# KiCad board zak180.kicad_pcb (continued)
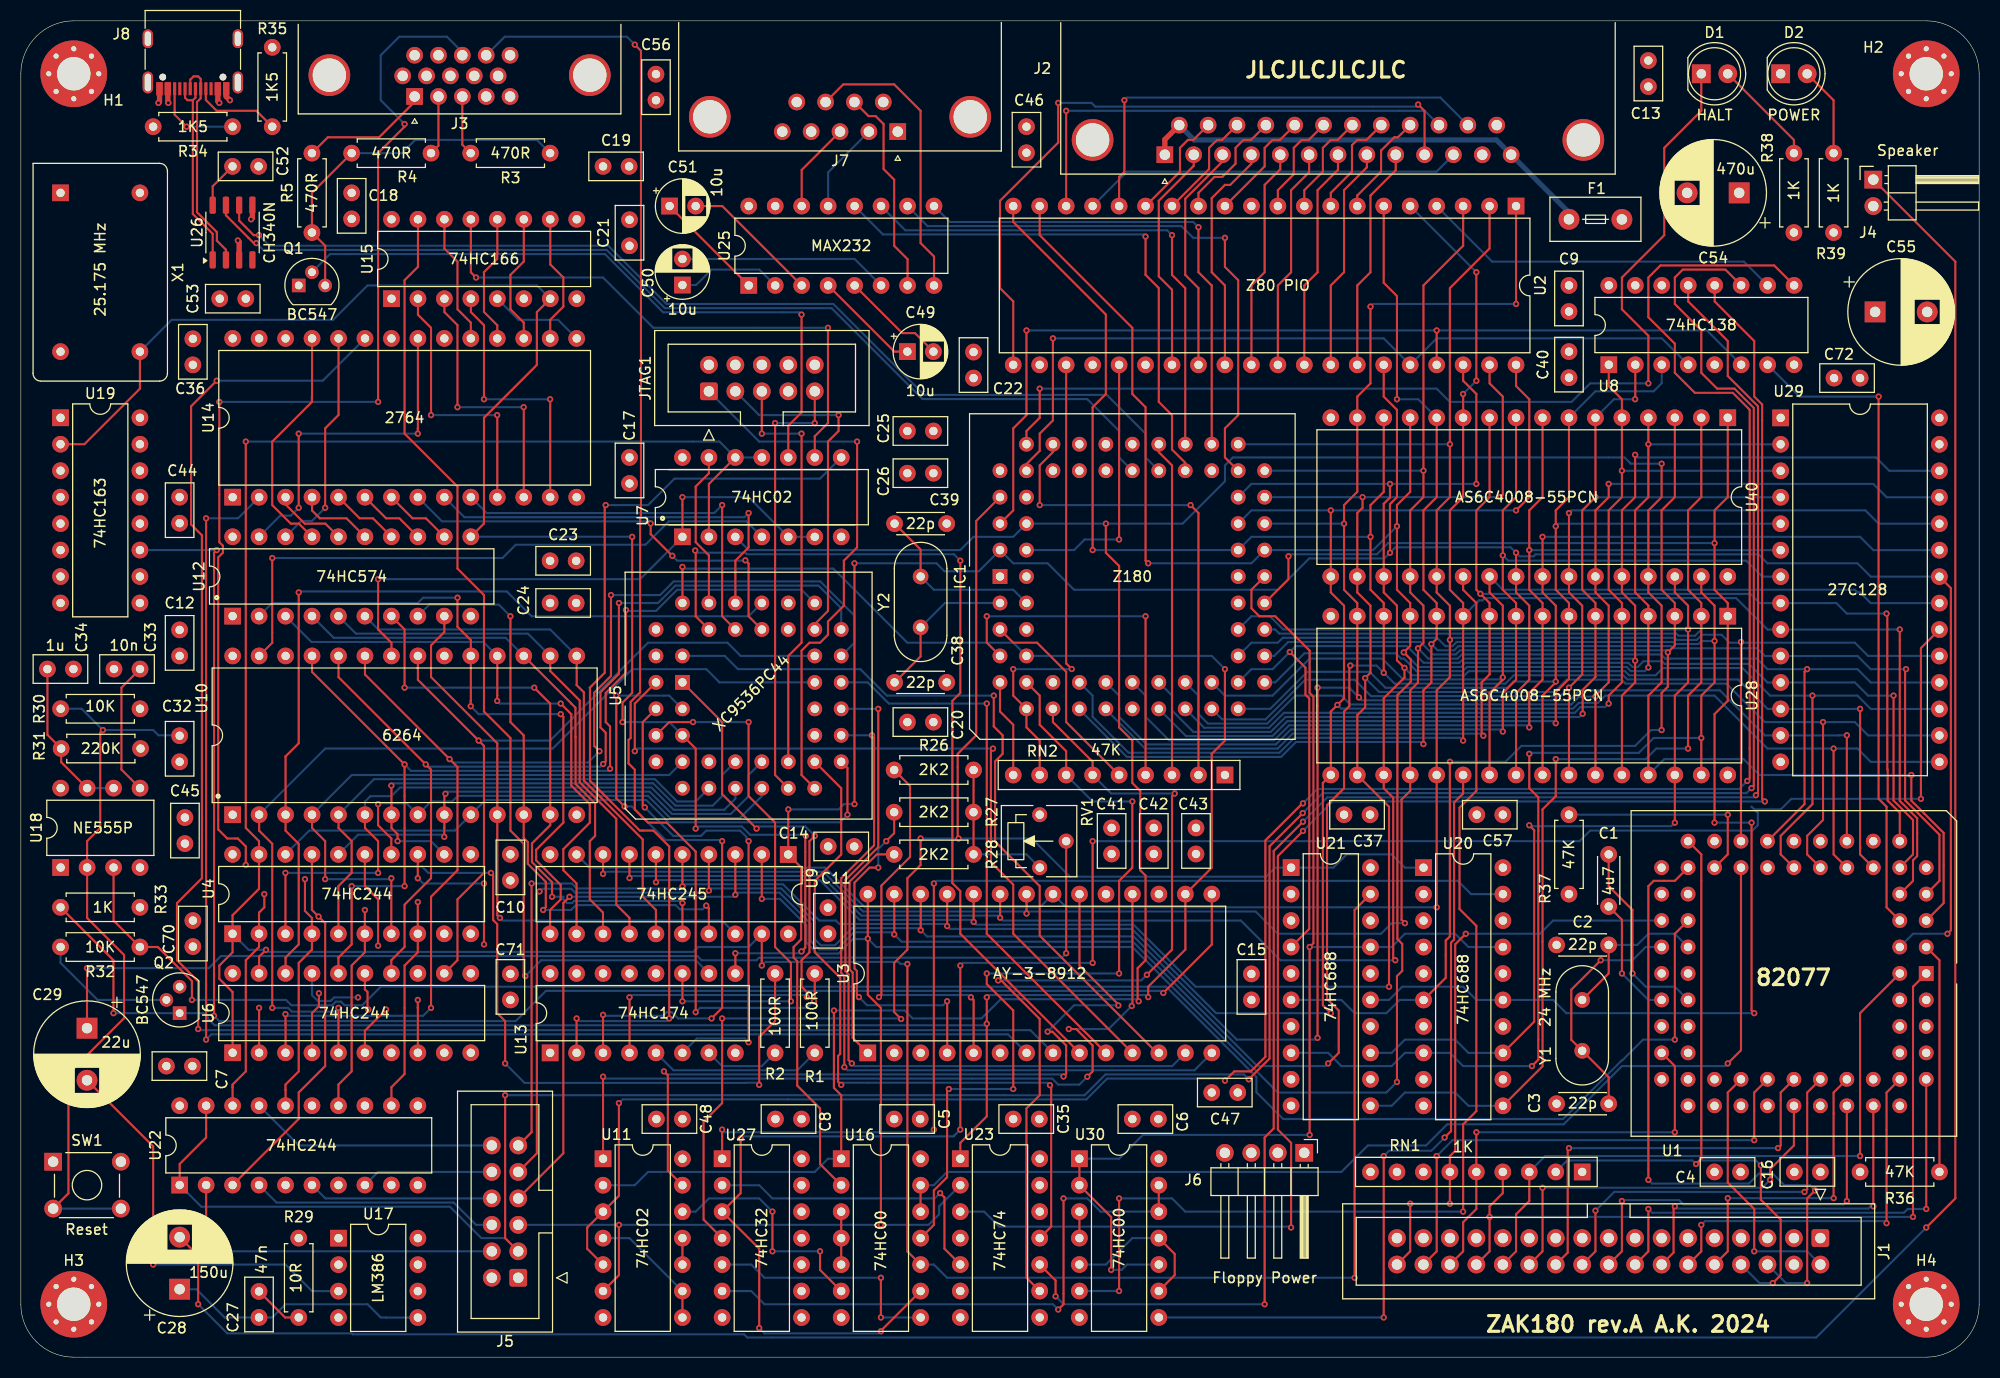
[diagram p0: board, top side]
## Footprints (pads in the part's own frame, mm; a bottom-side part is the same pattern mirrored in y, then rotated) (continued)
Fuse_Littelfuse_395Series
  round 2 hole 1: 1(0,0) 2(5.08,-0.01)
IDC-Header_2x05_P2.54mm_Vertical
  rrect 1.7x1.7 hole 1: 1(0,0)
  round 1.7 hole 1: 2(2.54,0) 3(0,-2.54) 4(2.54,-2.54) 5(0,-5.08) 6(2.54,-5.08) 7(0,-7.62) 8(2.54,-7.62) 9(0,-10.16) 10(2.54,-10.16)
IDC-Header_2x06_P2.54mm_Vertical
  rrect 1.7x1.7 hole 1: 1(0,0)
  round 1.7 hole 1: 2(2.54,0) 3(0,-2.54) 4(2.54,-2.54) 5(0,-5.08) 6(2.54,-5.08) 7(0,-7.62) 8(2.54,-7.62) 9(0,-10.16) 10(2.54,-10.16) 11(0,-12.7) 12(2.54,-12.7)
IDC-Header_2x17_P2.54mm_Vertical
  rrect 1.7x1.7 hole 1: 1(0,0)
  round 1.7 hole 1: 2(2.54,0) 3(0,-2.54) 4(2.54,-2.54) 5(0,-5.08) 6(2.54,-5.08) 7(0,-7.62) 8(2.54,-7.62) 9(0,-10.16) 10(2.54,-10.16) 11(0,-12.7) 12(2.54,-12.7) 13(0,-15.24) 14(2.54,-15.24) 15(0,-17.78) 16(2.54,-17.78) 17(0,-20.32) 18(2.54,-20.32) 19(0,-22.86) 20(2.54,-22.86) 21(0,-25.4) 22(2.54,-25.4) 23(0,-27.94) 24(2.54,-27.94) 25(0,-30.48) 26(2.54,-30.48) 27(0,-33.02) 28(2.54,-33.02) 29(0,-35.56) 30(2.54,-35.56) 31(0,-38.1) 32(2.54,-38.1) 33(0,-40.64) 34(2.54,-40.64)
LED_D5.0mm
  rect 1.8x1.8 hole 0.9: 1(0,0)
  round 1.8 hole 0.9: 2(2.54,0)
MountingHole_3.2mm_M3_Pad_Via
  round 0.8 hole 0.5: 1(-2.4,0) 1(-1.697,1.697) 1(-1.697,-1.697) 1(0,2.4) 1(0,-2.4) 1(1.697,1.697) 1(1.697,-1.697) 1(2.4,0)
  round 6.4 hole 3.2: 1(0,0)
Oscillator_DIP-14
  rect 1.6x1.6 hole 0.8: 1(0,0)
  round 1.6 hole 0.8: 7(15.24,0) 8(15.24,7.62) 14(0,7.62)
PinHeader_1x02_P2.54mm_Horizontal
  rect 1.7x1.7 hole 1: 1(0,0)
  oval 1.7x1.7 hole 1: 2(0,-2.54)
PinHeader_1x04_P2.54mm_Horizontal
  rect 1.7x1.7 hole 1: 1(0,0)
  oval 1.7x1.7 hole 1: 2(0,-2.54) 3(0,-5.08) 4(0,-7.62)
PLCC-44_THT-Socket
  rect 1.422x1.422 hole 0.8: 1(0,0)
  round 1.422 hole 0.8: 2(-2.54,2.54) 3(-2.54,0) 4(-5.08,2.54) 5(-5.08,0) 6(-7.62,2.54) 7(-10.16,0) 8(-7.62,0) 9(-10.16,-2.54) 10(-7.62,-2.54) 11(-10.16,-5.08) 12(-7.62,-5.08) 13(-10.16,-7.62) 14(-7.62,-7.62) 15(-10.16,-10.16) 16(-7.62,-10.16) 17(-10.16,-12.7) 18(-7.62,-15.24) 19(-7.62,-12.7) 20(-5.08,-15.24) 21(-5.08,-12.7) 22(-2.54,-15.24) 23(-2.54,-12.7) 24(0,-15.24) 25(0,-12.7) 26(2.54,-15.24) 27(2.54,-12.7) 28(5.08,-15.24) 29(7.62,-12.7) 30(5.08,-12.7) 31(7.62,-10.16) 32(5.08,-10.16) 33(7.62,-7.62) 34(5.08,-7.62) 35(7.62,-5.08) 36(5.08,-5.08) 37(7.62,-2.54) 38(5.08,-2.54) 39(7.62,0) 40(5.08,2.54) 41(5.08,0) 42(2.54,2.54) 43(2.54,0) 44(0,2.54)
PLCC-68_THT-Socket
  rect 1.422x1.422 hole 0.8: 1(0,0)
  round 1.422 hole 0.8: 2(0,-2.54) 3(-2.54,0) 4(-2.54,-2.54) 5(-5.08,0) 6(-5.08,-2.54) 7(-7.62,0) 8(-7.62,-2.54) 9(-10.16,0) 10(-12.7,-2.54) 11(-10.16,-2.54) 12(-12.7,-5.08) 13(-10.16,-5.08) 14(-12.7,-7.62) 15(-10.16,-7.62) 16(-12.7,-10.16) 17(-10.16,-10.16) 18(-12.7,-12.7) 19(-10.16,-12.7) 20(-12.7,-15.24) 21(-10.16,-15.24) 22(-12.7,-17.78) 23(-10.16,-17.78) 24(-12.7,-20.32) 25(-10.16,-20.32) 26(-12.7,-22.86) 27(-10.16,-25.4) 28(-10.16,-22.86) 29(-7.62,-25.4) 30(-7.62,-22.86) 31(-5.08,-25.4) 32(-5.08,-22.86) 33(-2.54,-25.4) 34(-2.54,-22.86) 35(0,-25.4) 36(0,-22.86) 37(2.54,-25.4) 38(2.54,-22.86) 39(5.08,-25.4) 40(5.08,-22.86) 41(7.62,-25.4) 42(7.62,-22.86) 43(10.16,-25.4) 44(12.7,-22.86) 45(10.16,-22.86) 46(12.7,-20.32) 47(10.16,-20.32) 48(12.7,-17.78) 49(10.16,-17.78) 50(12.7,-15.24) 51(10.16,-15.24) 52(12.7,-12.7) 53(10.16,-12.7) 54(12.7,-10.16) 55(10.16,-10.16) 56(12.7,-7.62) 57(10.16,-7.62) 58(12.7,-5.08) 59(10.16,-5.08) 60(12.7,-2.54) 61(10.16,0) 62(10.16,-2.54) 63(7.62,0) 64(7.62,-2.54) 65(5.08,0) 66(5.08,-2.54) 67(2.54,0) 68(2.54,-2.54)
Potentiometer_Vishay_T73YP_Vertical
  round 1.44 hole 0.8: 1(0,0) 2(2.54,2.54) 3(0,5.08)
R_Array_SIP9
  rect 1.6x1.6 hole 0.8: 1(0,0)
  oval 1.6x1.6 hole 0.8: 2(2.54,0) 3(5.08,0) 4(7.62,0) 5(10.16,0) 6(12.7,0) 7(15.24,0) 8(17.78,0) 9(20.32,0)
R_Axial_DIN0207_L6.3mm_D2.5mm_P7.62mm_Horizontal
  round 1.6 hole 0.8: 1(0,0)
  oval 1.6x1.6 hole 0.8: 2(7.62,0)
SOP-8_3.9x4.9mm_P1.27mm
  rrect 1.65x0.6 smd: 1(-2.625,1.905) 2(-2.625,0.635) 3(-2.625,-0.635) 4(-2.625,-1.905) 5(2.625,-1.905) 6(2.625,-0.635) 7(2.625,0.635) 8(2.625,1.905)
SW_TH_Tactile_Omron_B3F-10xx
  rect 1.7x1.7 hole 1: 1(0,0)
  round 1.7 hole 1: 1(6.5,0) 2(0,-4.5) 2(6.5,-4.5)
TO-92
  rect 1.3x1.3 hole 0.75: 1(0,0)
  round 1.3 hole 0.75: 2(1.27,1.27) 3(2.54,0)
USB_C_Receptacle_G-Switch_GT-USB-7010ASV
  round 0.65 hole 0.65 unplated: (-2.89,2.605) (2.89,2.605)
  rect 0.6x1.24 smd: A1(-3.2,3.725) A4(-2.4,3.725) A9(2.4,3.725) A12(3.2,3.725) B1(3.2,3.725) B4(2.4,3.725) B9(-2.4,3.725) B12(-3.2,3.725)
  rect 0.3x1.24 smd: A5(-1.25,3.725) A6(-0.25,3.725) A7(0.25,3.725) A8(1.25,3.725) B5(1.75,3.725) B6(0.75,3.725) B7(-0.75,3.725) B8(-1.75,3.725)
  oval 1x2.1 hole 0.6x1.7: S1(-4.32,3.125) S1(4.32,3.125)
  oval 1x1.8 hole 0.6x1.4: S1(-4.32,-1.075) S1(4.32,-1.075)

## Nets
GND: C2.1 C3.1 C4.2 C5.2 C6.2 C7.2 C8.2 C9.2 C10.2 C11.2 C12.2 C13.2 C14.2 C15.2 C16.2 C17.2 C18.2 C19.2 C20.2 C21.2 C22.2 C23.2 C24.2 C25.2 C26.2 C32.2 C33.2 C34.2 C35.2 C36.2 C37.2 C38.1 C39.1 C40.2 C41.2 C42.2 C43.2 C44.2 C45.2 C46.2 C47.2 C48.2 C52.2 C53.2 C54.2 C55.2 C56.2 C57.2 C70.2 C71.2 C72.2 D2.1 H1.1 H2.1 H3.1 H4.1 IC1.1 IC1.2 IC1.18 IC1.36 J1.1 J1.5 J1.7 J1.11 J1.13 J1.15 J1.19 J1.21 J1.23 J1.25 J1.29 J1.31 J2.0 J2.12 J2.25 J3.0 J3.5 J3.6 J3.7 J3.8 J3.10 J4.2 J5.2 J6.2 J6.3 J7.0 J7.5 J8.A1 J8.A12 J8.B1 J8.B12 J8.S1 JTAG1.10 Q2.3 R29.1 R34.2 R35.2 R37.2 RV1.3 SW1.1 U1.9 U1.12 U1.16 U1.21 U1.30 U1.35 U1.36 U1.45 U1.50 U1.54 U1.59 U1.65 U2.11 U3.6 U4.10 U4.11 U5.10 U5.23 U5.31 U6.10 U6.11 U6.13 U7.7 U8.5 U8.8 U9.10 U10.1 U10.14 U10.20 U11.7 U12.1 U12.10 U13.8 U14.14 U14.20 U14.22 U15.6 U15.8 U16.7 U17.2 U17.4 U18.1 U19.8 U20.2 U20.3 U20.4 U20.5 U20.7 U20.9 U20.10 U20.12 U20.14 U20.16 U20.18 U21.10 U22.10 U22.11 U22.13 U22.15 U23.7 U23.12 U25.15 U26.3 U27.7 U27.9 U27.10 U27.12 U27.13 U28.16 U29.14 U30.7 U40.16 X1.7
VCC: C4.1 C5.1 C6.1 C7.1 C8.1 C9.1 C10.1 C11.1 C12.1 C13.1 C14.1 C15.1 C16.1 C17.1 C18.1 C19.1 C20.1 C21.1 C22.1 C23.1 C24.1 C25.1 C26.1 C35.1 C36.1 C37.1 C40.1 C41.1 C42.1 C43.1 C44.1 C45.1 C46.1 C47.1 C48.1 C53.1 C54.1 C55.1 C56.1 C57.1 C70.1 C71.1 C72.1 F1.2 IC1.34 J5.1 J6.1 J8.A4 J8.A9 J8.B4 J8.B9 JTAG1.4 Q1.1 R30.1 R31.1 R33.2 R36.1 R38.1 R39.1 RN1.1 RN2.1 U1.18 U1.27 U1.39 U1.40 U1.46 U1.60 U1.68 U2.24 U2.26 U3.3 U3.17 U3.19 U4.20 U5.21 U5.32 U5.41 U6.20 U7.14 U8.16 U9.20 U10.26 U10.28 U11.14 U12.20 U13.1 U13.13 U13.14 U13.16 U14.1 U14.27 U14.28 U15.1 U15.9 U15.16 U16.14 U17.6 U18.4 U18.8 U19.1 U19.3 U19.4 U19.5 U19.6 U19.7 U19.9 U19.10 U19.16 U20.20 U21.2 U21.3 U21.5 U21.7 U21.9 U21.12 U21.14 U21.16 U21.18 U21.20 U22.20 U23.4 U23.13 U23.14 U25.16 U26.5 U27.14 U28.32 U29.1 U29.27 U29.28 U30.14 U40.32 X1.1 X1.14
/clock/1.57 MHz: U3.15 U19.11
/clock/25.175 MHz: U5.5 U12.11 U13.9 U15.7 U19.2 X1.8
/clock/RST: R32.1 U1.32 U18.3
/clock/~{RST}: IC1.8 Q2.1 R33.1 U3.16 U5.39 U23.1
/cpu//ROMDIS: U8.12 U23.3
/cpu/A0: IC1.14 U1.7 U2.6 U4.2 U22.18 U28.12 U29.10 U40.12
/cpu/A1: IC1.15 U1.8 U2.5 U4.4 U22.16 U28.11 U29.9 U40.11
/cpu/A2: IC1.16 U1.10 U4.6 U22.14 U28.10 U29.8 U40.10
/cpu/A3: IC1.17 U4.8 U22.12 U28.9 U29.7 U40.9
/cpu/A4: IC1.19 U4.17 U22.3 U28.8 U29.6 U40.8
/cpu/A5: IC1.20 U4.15 U8.3 U28.7 U29.5 U40.7
/cpu/A6: IC1.21 U4.13 U8.2 U28.6 U29.4 U40.6
/cpu/A7: IC1.22 U6.2 U8.1 U28.5 U29.3 U40.5
/cpu/A8: IC1.23 U6.4 U28.27 U29.25 U40.27
/cpu/A9: IC1.24 U6.6 U28.26 U29.24 U40.26
/cpu/A10: IC1.25 U6.8 U28.23 U29.21 U40.23
/cpu/A11: IC1.26 U6.17 U28.25 U29.23 U40.25
/cpu/A12: IC1.27 U6.15 U28.4 U29.2 U40.4
/cpu/A13: IC1.28 U21.4 U28.28 U29.26 U40.28
/cpu/A14: IC1.29 U20.6 U21.6 U28.3 U40.3
/cpu/A15: IC1.30 U20.8 U21.8 U28.31 U40.31
/cpu/A16: IC1.31 U20.11 U21.11 U28.2 U40.2
/cpu/A17: IC1.32 U20.13 U21.13 U28.30 U40.30
/cpu/A18: IC1.33 U20.15 U21.15 U28.1 U40.1
/cpu/A19: IC1.35 U20.17 U21.17 U30.1 U30.2 U30.10
/cpu/CLK: IC1.68 U2.25
/cpu/D0: IC1.37 J5.5 U1.11 U2.19 U3.28 U9.2 U11.6 U23.2 U28.13 U29.11 U40.13
/cpu/D1: IC1.38 J5.7 U1.13 U2.20 U3.27 U9.3 U28.14 U29.12 U40.14
/cpu/D2: IC1.39 J5.9 U1.14 U2.1 U3.26 U9.4 U28.15 U29.13 U40.15
/cpu/D3: IC1.40 J5.11 U1.15 U2.40 U3.25 U9.5 U28.17 U29.15 U40.17
/cpu/D4: IC1.41 U1.17 U2.39 U3.24 U9.6 U28.18 U29.16 U40.18
/cpu/D5: IC1.42 U1.19 U2.38 U3.23 U9.7 U28.19 U29.17 U40.19
/cpu/D6: IC1.43 U1.20 U2.3 U3.22 U9.8 U28.20 U29.18 U40.20
/cpu/D7: IC1.44 U1.22 U2.2 U3.21 U9.9 U28.21 U29.19 U40.21
/cpu/RX0: IC1.49 U25.12
/cpu/RX1: IC1.53 U26.7
/cpu/TX0: IC1.48 U25.11
/cpu/TX1: IC1.51 U26.6
/cpu/VBLANK: U5.19 U23.11
/cpu/~{CTS0}: IC1.46 U25.9
/cpu/~{FLOPPY}: U1.6 U8.7
/cpu/~{HALT}: D1.1 IC1.60
/cpu/~{INT0}: IC1.10 RN2.8 U2.23
/cpu/~{INT1}: IC1.11 RN2.7 U16.11
/cpu/~{IORQ}: IC1.62 U2.36 U8.4
/cpu/~{KEYBOARD}: J5.3 U8.11 U22.1 U22.19
/cpu/~{M1}: IC1.65 U2.37 U8.6
/cpu/~{NMI}: IC1.9 RN2.9
/cpu/~{PIO}: U2.4 U8.10
/cpu/~{RAM}: U27.6 U30.12 U30.13
/cpu/~{RD}: IC1.67 U1.4 U2.35 U9.1 U16.2 U28.24 U29.22 U40.24
/cpu/~{ROM}: U16.9 U27.3 U29.20
/cpu/~{RTS0}: IC1.45 U25.10
/cpu/~{SOUND}: U8.9 U11.3 U11.5
/cpu/~{VBLANKACK}: U8.13 U23.10
/cpu/~{VRAM}: U4.1 U4.19 U6.1 U6.19 U7.2 U7.11 U7.12 U9.19 U16.10 U21.19
/cpu/~{WAIT}: IC1.5 RN2.5
/cpu/~{WR}: IC1.66 U1.5 U7.3 U11.2 U16.1 U28.29 U40.29
/floppy/DRQ: U1.24
/floppy/IRQ: U1.23 U16.12 U16.13
/floppy/TC: R37.1 U1.25
/floppy/~{DACK}: R36.2 U1.3
/pio/IEO: U2.22
/sound/ROMSEL0: U3.8 U14.23
/sound/ROMSEL1: U3.7 U14.2
/sound/SCRL0: U3.14 U5.20
/sound/SCRL1: U3.13 U5.22
/sound/SCRL2: U3.12 U5.43
/sound/SCRL3: U3.11 U5.44
/sound/SCRL4: U3.10 U5.24
/sound/SCRL5: U3.9 U5.38
/vga/BLANK: U7.8 U13.2
/vga/COL3: U4.18 U5.18 U10.10
/vga/COL4: U4.16 U5.14 U10.9
/vga/COL5: U4.14 U5.13 U10.8
/vga/COL6: U4.12 U5.12 U10.7
/vga/COL7: U4.3 U5.11 U10.6
/vga/COL8: U4.5 U5.9 U10.5
/vga/COL9: U4.7 U5.8 U10.4
/vga/GD0: U9.18 U10.11 U12.9
/vga/GD1: U9.17 U10.12 U12.8
/vga/GD2: U9.16 U10.13 U12.7
/vga/GD3: U9.15 U10.15 U12.6
/vga/GD4: U9.14 U10.16 U12.5
/vga/GD5: U9.13 U10.17 U12.4
/vga/GD6: U9.12 U10.18 U12.3
/vga/GD7: U9.11 U10.19 U12.2
/vga/HSYNC: R2.1 U13.7
/vga/ROW0: U5.36 U14.10
/vga/ROW1: U5.35 U14.9
/vga/ROW2: U5.34 U14.8
/vga/ROW3: U5.33 U6.18 U10.3
/vga/ROW4: U5.29 U6.16 U10.25
/vga/ROW5: U5.28 U6.14 U10.24
/vga/ROW6: U5.27 U6.12 U10.21
/vga/ROW7: U5.26 U6.3 U10.23
/vga/ROW8: U5.25 U6.5 U10.2
/vga/VSYNC: R1.1 U13.5
/vga/~{LOAD}: U13.10 U15.15
Net-(C27-Pad1): C27.1 C28.1 U17.5
Net-(C27-Pad2): C27.2 R29.2
Net-(C29-Pad1): C29.1 RV1.2
Net-(D1-A): D1.2 R38.2
Net-(D2-A): D2.2 R39.2
Net-(IC1-CKA0/~{DREQ0}): IC1.50 RN2.3
Net-(IC1-EXTAL): C39.2 IC1.4 Y2.2
Net-(IC1-XTAL): C38.2 IC1.3 Y2.1
Net-(IC1-~{BUSREQ}): IC1.7 RN2.4
Net-(IC1-~{DREQ1}): IC1.58 RN2.2
Net-(IC1-~{INT2}): IC1.12 RN2.6 U23.9
Net-(IC1-~{MREQ}): IC1.63 U20.1 U21.1 U27.4
Net-(J1-Pin_2): J1.2 U1.49
Net-(J1-Pin_6): J1.6 U1.28
Net-(J1-Pin_8): J1.8 RN1.2 U1.26
Net-(J1-Pin_10): J1.10 U1.57
Net-(J1-Pin_12): J1.12 U1.62
Net-(J1-Pin_14): J1.14 U1.58
Net-(J1-Pin_16): J1.16 U1.61
Net-(J1-Pin_18): J1.18 U1.56
Net-(J1-Pin_20): J1.20 U1.55
Net-(J1-Pin_22): J1.22 U1.53
Net-(J1-Pin_24): J1.24 U1.52
Net-(J1-Pin_26): J1.26 RN1.3 U1.2
Net-(J1-Pin_28): J1.28 RN1.4 U1.1
Net-(J1-Pin_30): J1.30 RN1.5 U1.41
Net-(J1-Pin_32): J1.32 U1.51
Net-(J1-Pin_34): J1.34 RN1.6 U1.31
Net-(J2-P14): F1.1 J2.1 J2.13 J2.14
Net-(J2-P15): J2.15 U2.15
Net-(J2-P16): J2.16 U2.14
Net-(J2-P17): J2.17 U2.13
Net-(J2-P18): J2.18 U2.12
Net-(J2-P19): J2.19 U2.10
Net-(J2-P20): J2.20 U2.9
Net-(J2-P21): J2.21 U2.8
Net-(J2-P22): J2.22 U2.7
Net-(J2-P23): J2.23 U2.18
Net-(J2-P24): J2.24 U2.16
Net-(J3-Pad1): J3.1 R5.2
Net-(J3-Pad2): J3.2 R4.2
Net-(J3-Pad3): J3.3 R3.2
Net-(J3-Pad13): J3.13 R2.2
Net-(J3-Pad14): J3.14 R1.2
Net-(J4-Pin_1): C28.2 J4.1
Net-(J5-Pin_4): J5.4 U22.2
Net-(J5-Pin_6): J5.6 U22.4
Net-(J5-Pin_8): J5.8 U22.6
Net-(J5-Pin_10): J5.10 U22.8
Net-(J5-Pin_12): J5.12 U22.17
Net-(J8-CC1): J8.A5 R35.1
Net-(J8-CC2): J8.B5 R34.1
Net-(JTAG1-Pin_1): JTAG1.1 U5.17
Net-(JTAG1-Pin_3): JTAG1.3 U5.30
Net-(JTAG1-Pin_5): JTAG1.5 U5.16
Net-(JTAG1-Pin_9): JTAG1.9 U5.15
Net-(Q1-B): Q1.2 U7.10
Net-(Q1-E): Q1.3 R3.1 R4.1 R5.1
Net-(Q2-B): Q2.2 R32.2
Net-(R26-Pad2): R26.2 R27.2 R28.2 RV1.1
Net-(U1-HIFIL): C1.2 U1.38
Net-(U1-LOFIL): C1.1 U1.37
Net-(U1-X1): C3.2 U1.33 Y1.1
Net-(U1-X2): C2.2 U1.34 Y1.2
Net-(U2-BRDY): J2.10 U2.21
Net-(U2-PB0): J2.2 U2.27
Net-(U2-PB1): J2.3 U2.28
Net-(U2-PB2): J2.4 U2.29
Net-(U2-PB3): J2.5 U2.30
Net-(U2-PB4): J2.6 U2.31
Net-(U2-PB5): J2.7 U2.32
Net-(U2-PB6): J2.8 U2.33
Net-(U2-PB7): J2.9 U2.34
Net-(U2-~{BSTB}): J2.11 U2.17
Net-(U3-BC1): U3.20 U11.13
Net-(U3-BDIR): U3.18 U11.1
Net-(U3-ch_A): R26.1 U3.5
Net-(U3-ch_B): R27.1 U3.4
Net-(U3-ch_C): R28.1 U3.1
Net-(U5-M8-Pad37): U5.37 U7.13
Net-(U10-~{OE}): U7.1 U7.5 U7.6 U10.22
Net-(U10-~{WR}): U7.4 U10.27
Net-(U11-Pad4): U11.4 U11.8 U11.9
Net-(U11-Pad10): U11.10 U11.11
Net-(U11-Pad12): U11.12 U16.6
Net-(U12-Q0): U12.19 U14.21
Net-(U12-Q1): U12.18 U14.24
Net-(U12-Q2): U12.17 U14.25
Net-(U12-Q3): U12.16 U14.3
Net-(U12-Q4): U12.15 U14.4
Net-(U12-Q5): U12.14 U14.5
Net-(U12-Q6): U12.13 U14.6
Net-(U12-Q7): U12.12 U14.7
Net-(U13-D0): U5.3 U13.3
Net-(U13-D1): U5.1 U13.4
Net-(U13-D2): U5.2 U13.6
Net-(U13-D3): U5.4 U13.11
Net-(U14-D0): U14.11 U15.2
Net-(U14-D1): U14.12 U15.3
Net-(U14-D2): U14.13 U15.4
Net-(U14-D3): U14.15 U15.5
Net-(U14-D4): U14.16 U15.10
Net-(U14-D5): U14.17 U15.11
Net-(U14-D6): U14.18 U15.12
Net-(U14-D7): U14.19 U15.14
Net-(U15-Qh): U7.9 U15.13
Net-(U16-Pad3): U16.3 U16.4 U16.5
Net-(U16-Pad8): U16.8 U27.5
Net-(U17-+): C29.2 U17.3
Net-(U18-CV): C33.1 U18.5
Net-(U18-DIS): C34.1 R31.2 U18.6 U18.7
Net-(U18-TR): C32.1 R30.2 SW1.2 U18.2
Net-(U20-P=R): U20.19 U27.1
Net-(U23A-Q): U23.5 U27.2
Net-(U25-C1+): C51.1 U25.1
Net-(U25-C1-): C51.2 U25.3
Net-(U25-C2+): C49.1 U25.4
Net-(U25-C2-): C49.2 U25.5
Net-(U25-R1IN): J7.2 U25.13
Net-(U25-R2IN): J7.8 U25.8
Net-(U25-T1OUT): J7.3 U25.14
Net-(U25-T2OUT): J7.7 U25.7
Net-(U25-VS+): C50.1 U25.2
Net-(U25-VS-): C50.2 U25.6
Net-(U26-UD+): J8.A6 J8.B6 U26.1
Net-(U26-UD-): J8.A7 J8.B7 U26.2
Net-(U26-V3): C52.1 U26.8
Net-(U28-CE#): U28.22 U30.8
Net-(U30-Pad3): U30.3 U30.4
Net-(U30-Pad11): U30.5 U30.9 U30.11
Net-(U40-CE#): U30.6 U40.22

Pads without a net: IC1 6 13 47 52 54 55 56 57 59 61 64; J1 3 4 9 17 27 33; J3 4 9 11 12 15; J6 4; J7 1 4 6 9; J8 A8 B8; JTAG1 2 6 7 8; RN1 7 8 9; U1 29 42 43 44 47 48 63 64 66 67; U3 2; U4 9; U5 6 7 40 42; U6 7 9; U8 14 15; U13 12 15; U14 26; U17 1 7 8; U19 12 13 14 15; U22 5 7 9; U23 6 8; U26 4; U27 8 11

## Via types
v1: diameter 0.6, hole 0.3, Top to Bottom, 417 vias

## Routing (per net, layer and track width the routed paths; a pad name or vN(x,y) marks a point on that pad's centre or on a via; arc(x,y) is an arc through that point)
GND: length 11.7
  Top w0.5: v1(20.83,107.19) 20.95,107.06 U26.3 ; v1(13.21,120.4) 13.31,120.5 J8.A12 ; J8.A1 19.71,121.01 v1(20.07,120.65)
  In1.Cu w0.5: 48.26,123.19 48.06,122.99 J3.10 ; J3.6 J3.7 J3.8
VCC: length 4.2
  Top w0.5: 22.22,110.57 22.22,109.35 v1(22.1,109.22) ; v1(19.05,120.4) 18.91,120.54 J8.A4 ; J8.A9 14.11,120.45 v1(14.16,120.4)
/clock/1.57 MHz: length 156.2
  Top w0.2: v1(18.8,77.47) 18.54,77.22 v1(18.54,32.77) ; v1(109.66,34.96) 114.31,39.61 U3.15
  Bottom w0.2: v1(18.8,77.47) U19.11 ; v1(109.66,34.96) 109.46,35.16 50.4,35.16 47.5,32.26 19.05,32.26 v1(18.54,32.77)
/clock/25.175 MHz: length 162
  Top w0.2: v1(58.67,78.74) 58.67,63.75 57.75,62.83 v1(57.75,60.96) ; U19.2 6.1,87.63 11.43,92.96 X1.8 ; U12.11 44.45,80.01 44.45,90.17 49.53,95.25 49.53,100.31 U15.7 ; v1(75.35,50.04) 75.29,49.98 75.29,39.31 v1(74.93,38.94) ; U5.5 64.77,58.42 v1(64.77,50.74) ; v1(68.58,38.77) U13.9
  Bottom w0.2: v1(58.67,78.74) 58.66,78.75 U12.11 ; U15.7 49.54,102.87 33.27,102.87 29.97,99.57 14.48,99.57 X1.8 ; v1(75.35,50.04) 75.25,50.14 70,50.14 69.2,50.94 64.97,50.94 v1(64.77,50.74) ; v1(68.58,38.77) 74.75,38.77 v1(74.93,38.94) ; v1(57.75,60.96) 62.23,60.96 U5.5
/clock/RST: length 181.6
  Top w0.2: v1(158.75,30.48) 158.75,40.64 U1.32 ; v1(16.42,34.29) 16.42,36.1 13.15,39.37 R32.1 8.9,41.9 U18.3
  Bottom w0.2: v1(16.42,34.29) 25.45,34.29 25.96,33.78 29.87,33.78 29.88,33.78 30.23,34.13 30.73,34.13 31.07,33.78 32.77,33.78 34.54,35.56 109.92,35.56 118.59,26.9 118.59,25.43 121.16,22.86 148.02,22.86 153.66,28.49 153.72,28.49 155.7,30.48 v1(158.75,30.48)
/clock/~{RST}: length 223
  Top w0.2: v1(108.2,34.56) 108.2,35.56 111.77,39.13 U3.16 114.3,46.98 114.3,57.91 115.57,59.18 v1(115.57,66.04) ; v1(63.5,75.85) U5.39 ; v1(92.71,34.54) v1(92.71,32) 92.71,23.11 90.17,20.57 U23.1 ; v1(8.89,33.02) 8.89,38.1 R33.1
  Bottom w0.2: v1(8.89,33.02) Q2.1 17.53,33.02 17.94,32.6 17.94,32.52 18.6,31.86 92.56,31.86 v1(92.71,32) ; v1(108.2,34.56) 108,34.76 92.93,34.76 v1(92.71,34.54) ; v1(63.5,75.85) 63.66,75.69 77.98,75.69 85.09,68.58 95.25,68.58 IC1.8 114.3,67.31 v1(115.57,66.04)
/cpu//ROMDIS: length 169
  Top w0.2: v1(121.92,12.45) 121.92,20.57 120.65,21.84 120.65,48.1 v1(123.06,50.51) ; 162.57,102.88 162.57,101.33 166.37,97.54 166.37,92.2 167.13,91.44 167.13,53.59 v1(167.39,53.34)
  Bottom w0.2: v1(123.06,50.51) 125.89,53.34 v1(167.39,53.34) ; v1(121.92,12.45) 121.84,12.53 93.9,12.53 92.46,13.97 U23.3
/cpu/A0: length 315.3
  Top w0.2: v1(132.08,91.95) 132.08,101.85 130.81,103.12 U2.6 ; v1(134.62,58.85) 134.62,64.01 135.38,64.77 v1(135.38,68.45) 135.89,68.96 U28.12 135.89,72.39 134.62,73.66 134.62,81.28 135.89,82.55 U40.12 ; v1(180.94,66.04) 180.85,65.95 180.85,53.46 184.15,50.15 184.15,45.72 U1.7 ; v1(23.37,44.45) 23.37,43.18 22.86,42.67 U4.2 22.86,39.37 21.59,38.1 21.59,27.43 20.32,26.16 20.32,25.91 20.32,25.9 U22.18
  In2.Cu w0.2: IC1.14 101.6,59.44 103.38,57.66 103.63,57.66 103.74,57.55 116.5,57.55 117.24,56.81 117.24,52.16 115.97,50.89 115.97,43.52 115.23,42.78 98.15,42.78 97.35,41.98 95.94,41.98 95.14,42.78 83.46,42.78 82.55,43.69 82.55,44.9 80.77,46.68 57.6,46.68 56.71,45.79 54.99,45.79 54.1,46.68 49.22,46.68 48.09,45.55 48.09,45.04 47.5,44.45 v1(23.37,44.45)
  Bottom w0.2: v1(134.62,58.85) 134.42,59.05 122.39,59.05 120.96,57.61 106.16,57.61 101.6,62.17 IC1.14 ; v1(132.08,91.95) 134.12,91.95 U40.12 ; v1(135.38,68.45) 135.98,67.85 137.57,67.85 137.97,68.25 158.4,68.25 158.6,68.05 166.65,68.05 167.4,67.3 U29.10 176.27,67.3 176.28,67.31 177.55,66.04 v1(180.94,66.04)
/cpu/A1: length 319.8
  Top w0.2: v1(138.43,59.18) U28.11 138.43,72.39 137.16,73.66 137.16,81.28 138.43,82.55 U40.11 v1(138.43,92.46) ; U1.8 181.61,45.72 181.61,47.69 182.01,48.09 182.01,51.73 180.34,53.4 v1(180.34,69.85) ; v1(139.7,104.14) v1(139.7,93.73) ; v1(27.27,45.88) 27.27,42.83 27.94,42.16 U4.4 27.94,39.12 26.67,37.85 26.67,27.43 25.4,26.16 25.4,25.65 25.4,25.65 U22.16
  In2.Cu w0.2: v1(27.27,45.88) 28.47,47.08 80.93,47.08 81.79,46.23 84.33,46.23 85.09,45.47 85.09,43.69 85.6,43.18 115.06,43.18 115.57,43.69 115.57,51.05 116.84,52.32 116.84,56.64 116.33,57.15 102.11,57.15 100.33,58.93 100.33,63.5 IC1.15
  Bottom w0.2: v1(138.43,59.18) 138.16,59.45 122.23,59.45 120.79,58.01 106.32,58.01 102.87,61.47 102.87,63.5 IC1.15 ; v1(180.34,69.85) 179.32,69.85 179.31,69.84 U29.9 167.65,69.84 164.63,72.86 140.51,72.86 140.29,72.64 139.95,72.64 U28.11 ; v1(139.7,93.73) v1(138.43,92.46) ; v1(139.7,104.14) U2.5
/cpu/A2: length 272
  Top w0.2: U40.10 140.97,82.55 139.7,81.28 139.7,73.66 v1(140.08,73.28) 140.97,72.39 U28.10 140.97,65.53 140.21,64.77 140.21,59.81 v1(140.37,59.65) ; U22.14 30.48,26.17 31.75,27.43 31.75,37.59 33.02,38.86 U4.6 v1(33.02,42.93) ; v1(179.07,71.37) 179.14,71.3 179.14,56.43 179.18,56.39 179.18,53.43 180.34,52.27 U1.10
  In2.Cu w0.2: v1(33.02,42.93) 48.51,42.93 49.24,42.2 49.24,42.16 58.38,42.16 62.1,45.88 77.73,45.88 81.63,41.98 90.4,41.98 91.2,41.18 97.68,41.18 98.48,41.98 115.56,41.98 116.77,43.19 116.77,50.56 118.04,51.83 118.04,57.14 116.83,58.35 107,58.35 104.14,61.21 IC1.16
  Bottom w0.2: IC1.16 104.39,61.98 104.39,61.92 107.9,58.41 120.63,58.41 122.06,59.85 140.17,59.85 v1(140.37,59.65) ; v1(140.08,73.28) 140.1,73.26 166.01,73.26 166.89,72.38 U29.8 173.73,72.38 173.74,72.39 174.24,72.39 175.26,71.37 v1(179.07,71.37)
/cpu/A3: length 239.6
  Top w0.2: U22.12 35.56,25.91 36.83,27.18 36.83,37.59 38.1,38.86 U4.8 v1(38.1,43.69) ; v1(142.24,60.05) 142.24,63.75 143.51,65.02 U28.9 143.51,72.39 142.24,73.66 v1(142.24,76.96) 142.24,81.28 143.51,82.55 U40.9
  In2.Cu w0.2: v1(38.1,43.69) 38.46,44.05 50.18,44.05 50.71,43.53 57.24,43.53 60,46.28 77.9,46.28 81.8,42.38 92.71,42.38 93.51,41.58 97.52,41.58 98.32,42.38 115.39,42.38 116.37,43.36 116.37,50.72 117.64,51.99 117.64,56.97 116.66,57.95 105.88,57.95 102.87,60.96 102.87,63.5 IC1.17
  Bottom w0.2: v1(142.24,60.05) 142.04,60.25 121.9,60.25 120.46,58.81 108.06,58.81 105.41,61.47 105.41,63.5 IC1.17 ; U29.7 167.14,74.92 165.61,76.45 142.75,76.45 v1(142.24,76.96)
/cpu/A4: length 260.7
  Top w0.2: U22.3 26.67,22.87 26.67,25.4 29.21,27.94 29.21,41.66 v1(28.57,42.29) 27.94,42.93 U4.17 ; U40.8 146.05,82.55 144.78,81.28 v1(144.78,77.47) 144.78,73.66 146.05,72.39 U28.8 146.05,65.02 144.78,63.75 v1(144.78,60.45)
  In2.Cu w0.2: IC1.19 105.41,63.5 105.41,61.21 107.87,58.75 116.99,58.75 118.44,57.3 118.44,51.66 117.17,50.39 117.17,43 116.33,42.16 116.31,42.16 115.72,41.58 98.65,41.58 97.85,40.78 88.66,40.78 87.86,41.58 81.47,41.58 77.65,45.39 64.95,45.39 64.01,44.45 61.23,44.45 58.55,41.76 47.1,41.76 46.74,41.4 44.96,41.4 44.2,42.16 28.7,42.16 v1(28.57,42.29)
  Bottom w0.2: v1(144.78,60.45) 144.58,60.65 121.73,60.65 120.29,59.21 110.2,59.21 107.95,61.47 107.95,63.5 IC1.19 ; U29.6 144.79,77.46 v1(144.78,77.47)
/cpu/A5: length 229.6
  Top w0.2: v1(147.32,60.85) 147.32,63.84 148.59,65.11 U28.7 148.59,72.39 147.32,73.66 v1(147.32,79.76) 147.32,81.28 148.59,82.55 U40.7 ; U4.15 33.02,45.21 34.29,43.94 v1(34.29,39.5)
  In2.Cu w0.2: v1(34.29,39.5) 34.82,38.97 61.32,38.97 62.23,39.88 62.23,41.4 62.74,41.91 80.01,41.91 81.14,40.78 82.16,40.78 82.96,39.98 98.18,39.98 98.98,40.78 116.08,40.78 117.97,42.67 117.97,50.06 119.24,51.33 119.24,57.64 117.33,59.55 111.14,59.55 109.22,61.47 IC1.20
  Bottom w0.2: U8.3 157.49,93.49 156.72,92.71 151.12,92.71 U40.7 ; U29.5 147.56,80 v1(147.32,79.76) ; v1(147.32,60.85) 147.12,61.05 121.57,61.05 120.13,59.61 111.84,59.61 IC1.20
/cpu/A6: length 225.4
  Top w0.2: v1(149.91,61.76) 149.91,64.05 151.13,65.28 U28.6 151.13,72.39 149.86,73.66 149.86,81.28 v1(151.13,82.55) U40.6 ; v1(44.45,39.62) v1(44.45,45.47) ; v1(154.94,91.95) 154.95,91.96 154.95,95.26 ; v1(38.1,45.97) U4.13
  In2.Cu w0.2: v1(44.45,39.62) 44.7,39.37 58.93,39.37 59.69,40.13 59.69,41.4 60.71,42.42 63.5,42.42 65.02,43.94 66.8,43.94 67.85,44.99 77.49,44.99 81.3,41.18 85.09,41.18 85.89,40.38 98.01,40.38 98.81,41.18 115.91,41.18 117.57,42.84 117.57,50.23 118.84,51.5 118.84,57.47 117.16,59.15 110.01,59.15 107.95,61.21 107.95,63.5 IC1.21
  Bottom w0.2: U29.4 151.14,82.54 v1(151.13,82.55) ; U40.6 152.9,91.95 v1(154.94,91.95) ; IC1.21 110.49,63.5 110.49,62.07 112.55,60.01 119.96,60.01 121.4,61.45 149.59,61.45 v1(149.91,61.76) ; v1(44.45,45.47) 38.61,45.47 v1(38.1,45.97)
/cpu/A7: length 225.3
  Top w0.2: v1(152.4,62.74) 152.4,63.5 153.67,64.77 U28.5 153.67,72.39 152.4,73.66 152.4,81.28 153.67,82.55 v1(153.67,85.09) U40.5 153.67,91.95 152.41,93.2 U8.1 ; v1(22.86,33.53) U6.2
  In2.Cu w0.2: IC1.22 111.76,61.21 112.62,60.35 117.66,60.35 120.04,57.97 120.04,51 118.77,49.73 118.77,42.34 116.41,39.98 99.31,39.98 98.51,39.18 82.42,39.18 78.4,35.16 50.65,35.16 48.51,33.02 46.34,33.02 44.2,35.16 30.46,35.16 29.08,33.78 26.92,33.78 26.16,34.54 23.88,34.54 v1(22.86,33.53)
  Bottom w0.2: U29.3 153.68,85.08 v1(153.67,85.09) ; IC1.22 113.58,60.41 119.8,60.41 121.23,61.85 149.15,61.85 149.7,62.41 152.07,62.41 v1(152.4,62.74)
/cpu/A8: length 234.8
  Top w0.2: v1(152.4,83.82) 152.4,82.55 151.13,81.28 151.13,73.41 152.4,72.14 152.4,64.77 151.13,63.5 U28.27 ; U6.4 27.94,33.02 28.61,33.69 v1(28.61,34.93)
  In2.Cu w0.2: IC1.23 110.49,63.5 110.49,61.47 112.01,59.95 117.49,59.95 119.64,57.8 119.64,51.16 118.37,49.89 118.37,42.5 116.25,40.38 99.15,40.38 98.35,39.58 82.25,39.58 78.23,35.56 29.24,35.56 v1(28.61,34.93)
  Bottom w0.2: IC1.23 113.03,63.5 113.03,61.72 113.93,60.82 119.64,60.82 122.32,63.5 126.75,63.5 127.6,62.65 148.81,62.65 149.57,63.41 v1(151.13,63.41) ; v1(152.4,83.82) 177.8,83.82 179.08,82.54 U29.25
/cpu/A9: length 221.1
  Top w0.2: 33.02,29.22 33.02,31.34 v1(35.05,33.37) ; U28.26 v1(148.59,64.26) 149.86,65.53 149.86,72.14 148.59,73.41 v1(148.59,81.03)
  In2.Cu w0.2: IC1.24 114.3,61.98 115.13,61.15 117.99,61.15 120.84,58.3 120.84,50.67 119.57,49.4 119.57,42.01 116.74,39.18 101.59,39.18 100.58,38.17 98.74,38.17 98.53,38.38 82.75,38.38 78.64,34.27 78.64,33.03 78.29,32.67 73.4,32.67 71.72,34.36 64.55,34.36 63.75,33.56 60.17,33.56 60.15,33.54 50.17,33.54 48.85,32.22 46,32.22 45.46,32.77 35.65,32.77 v1(35.05,33.37)
  Bottom w0.2: U29.24 178.32,80 177.04,81.28 148.84,81.28 v1(148.59,81.03) ; v1(148.59,64.26) 147.78,63.45 129.59,63.45 128.02,65.02 123.28,65.02 119.47,61.22 115.31,61.22 IC1.24
/cpu/A10: length 216.5
  Top w0.2: 140.97,74.94 140.97,73.41 142.24,72.14 142.24,65.02 140.97,63.75 U28.23 ; 38.1,29.22 38.1,33.52 38.1,33.53 v1(38.1,34.29)
  In2.Cu w0.2: v1(38.1,34.29) 38.57,34.76 44.03,34.76 46.17,32.62 48.68,32.62 50,33.94 59.6,33.94 60.41,34.76 71.88,34.76 73.08,33.56 77.36,33.56 82.58,38.78 98.68,38.78 99.48,39.58 116.58,39.58 119.17,42.17 119.17,49.56 120.44,50.83 120.44,58.13 117.82,60.75 113.75,60.75 113.03,61.47 113.03,63.5 IC1.25
  Bottom w0.2: U29.21 177.56,72.38 176.53,73.41 176.28,73.41 176.02,73.66 142.24,73.66 140.97,74.94 ; v1(142.24,65.25) 142.04,65.05 132.67,65.05 130.66,67.06 123.7,67.06 120.14,63.5 115.57,63.5 IC1.25
/cpu/A11: length 220.4
  Top w0.2: v1(146.05,78.74) 146.05,73.41 147.32,72.14 147.32,64.77 146.05,63.5 U28.25
  In2.Cu w0.2: IC1.26 117.47,62.23 121.24,58.46 121.24,50.5 119.97,49.23 119.97,41.84 116.91,38.78 101.75,38.78 100.74,37.77 91.92,37.77 90.72,36.58 81.51,36.58 79.04,34.11 79.04,32.86 78.45,32.27 73.24,32.27 71.55,33.96 64.71,33.96 63.9,33.14 57.78,33.14 56.46,31.82 35.74,31.82 33.04,34.53 v1(32.37,34.53)
  Bottom w0.2: U29.23 177.81,77.46 176.53,78.74 v1(146.05,78.74) ; U6.17 27.94,34.74 28.49,34.2 29.74,34.2 30.07,34.53 v1(32.37,34.53) ; v1(147.32,64.85) 143.25,64.85 142.65,64.25 130.99,64.25 129.45,65.79 123.47,65.79 119.92,62.23 IC1.26
/cpu/A12: length 197.1
  Top w0.2: v1(156.21,66.2) U28.4 156.21,72.14 154.94,73.41 154.94,81.28 156.21,82.55 v1(156.21,87.63) U40.4 ; v1(33.35,33.37) 33.27,33.44 33.27,35.05 33.02,35.31 33.02,35.31 33.02,36.84
  In2.Cu w0.2: v1(33.35,33.37) 35.3,31.42 67.39,31.42 67.84,31.87 78.62,31.87 79.44,32.69 79.44,32.7 82.04,35.31 101.91,35.31 104.99,38.38 117.07,38.38 120.37,41.68 120.37,49.07 121.64,50.34 121.64,58.63 119.38,60.89 IC1.27
  Bottom w0.2: IC1.27 120.4,64.77 123.19,67.56 131.97,67.56 132.48,67.05 132.77,67.05 133.97,65.85 138.4,65.85 138.8,66.25 154.13,66.25 154.53,65.85 155.86,65.85 v1(156.21,66.2) ; v1(156.21,87.63) 156.22,87.62 U29.2
/cpu/A13: length 132.4
  Top w0.2: U21.4 123.66,41.11 123.66,63.23 123.3,63.59 123.3,66.19 v1(121.79,67.69) ; v1(154.94,86.61) 154.94,82.55 153.67,81.28 153.67,73.41 154.94,72.14 154.94,64.77 153.67,63.5 U28.28
  Bottom w0.2: IC1.28 118.11,66.04 120.14,66.04 v1(121.79,67.69) 122.35,68.25 133.04,68.25 134.64,66.65 138.07,66.65 138.47,67.05 154.74,67.05 v1(154.94,66.85) ; v1(154.94,86.61) 155.19,86.36 178.05,86.36 179.33,85.08 U29.26
/cpu/A14: length 130.8
  Top w0.2: U40.3 158.75,82.55 157.48,81.28 157.48,73.66 158.75,72.39 U28.3 158.75,68.32 v1(158.08,67.65) 158.08,64.35 157.48,63.75 v1(157.48,60.2) ; 134.63,34.28 136.76,36.41 136.76,39.99 137.16,40.39 v1(137.16,57.15)
  Bottom w0.2: v1(137.16,57.15) 142.49,57.15 144.02,58.67 154.94,58.67 156.46,60.2 v1(157.48,60.2) ; v1(158.08,67.65) 157.88,67.85 138.14,67.85 137.74,67.45 135.53,67.45 134.33,68.65 121.64,68.65 120.3,67.31 IC1.29 ; U21.6 126.75,34.29 128.02,33.02 131.06,33.02 132.33,34.29 132.84,34.29 132.85,34.28 134.63,34.28
/cpu/A15: length 139.7
  Top w0.2: v1(145.03,27.94) 145.65,28.56 145.65,53.74 144.78,54.61 v1(144.78,57.91) ; U28.31 v1(161.29,59.44) 161.29,63.5 162.56,64.77 162.56,72.14 161.29,73.41 161.29,74.94
  Bottom w0.2: v1(144.78,57.91) 144.87,58 155.29,58 156.72,59.44 v1(161.29,59.44) ; U21.8 125.48,29.21 126.75,27.94 131.57,27.94 132.84,29.21 133.35,29.21 133.35,29.2 137.16,29.2 138.43,27.94 v1(145.03,27.94) ; v1(162.56,68.74) 161.31,68.74 161.02,68.45 158.76,68.45 158.56,68.65 137.81,68.65 137.41,68.25 136.73,68.25 135.93,69.05 121.12,69.05 120.65,68.58 118.11,68.58 IC1.30
/cpu/A16: length 139.3
  Top w0.2: 142.25,24.12 146.05,27.92 146.05,52.58 147.32,53.85 v1(147.32,57.4) ; v1(160.02,58.42) 160.02,63.5 161.29,64.77 U28.2 161.29,72.39 160.02,73.66 160.02,81.28 161.29,82.55 U40.2
  Bottom w0.2: IC1.31 120.4,69.85 120.8,69.45 158.9,69.45 159.1,69.25 160.69,69.25 161.29,69.85 U28.2 ; v1(160.02,58.42) 156.97,58.42 155.96,57.4 v1(147.32,57.4) ; U21.11 131.57,24.13 132.84,25.4 137.67,25.4 138.94,24.12 142.25,24.12
/cpu/A17: length 120.1
  Top w0.2: v1(158.75,51.31) U28.30 158.75,63.5 160.02,64.77 v1(160.02,69.85) 160.02,72.14 158.75,73.41 158.75,74.94 ; v1(144.78,51.05) 145.25,50.58 145.25,32.2 142.25,29.2
  Bottom w0.2: IC1.32 118.11,71.12 119.89,71.12 121.16,69.85 v1(160.02,69.85) ; v1(158.75,51.31) 158.41,50.97 144.86,50.97 v1(144.78,51.05) ; 142.25,29.2 138.94,29.2 137.67,30.48 132.84,30.48 131.57,29.21 U21.13
/cpu/A18: length 147.7
  Top w0.2: v1(162.56,51.31) 162.56,61.72 163.83,62.99 U28.1 163.83,72.39 162.56,73.66 162.56,81.28 163.83,82.55 U40.1 ; IC1.33 121.67,74.68 v1(121.67,76.87) ; v1(166.37,33.02) 166.11,33.28 166.11,51.3 v1(166.12,51.31)
  Bottom w0.2: v1(166.37,33.02) 148.34,33.02 147.07,34.28 139.7,34.28 138.43,35.56 132.59,35.56 131.32,34.29 U21.15 ; v1(162.56,78.14) 131.23,78.14 130.16,77.07 121.87,77.07 v1(121.67,76.87) ; v1(166.12,51.31) v1(162.56,51.31)
/cpu/A19: length 117
  Top w0.2: IC1.35 118.11,73.66 118.11,71.88 118.87,71.12 120.4,71.12 123.7,67.82 123.7,63.75 124.06,63.39 124.06,39.73 v1(123.7,39.37) v1(123.7,21.34) ; U30.1 U30.2 104.65,13.46 v1(104.65,8.38)
  Bottom w0.2: v1(123.7,21.34) 107.7,21.34 105.41,19.05 U30.1 ; 142.25,39.37 139.45,39.37 139.45,39.37 138.94,39.37 137.67,40.64 132.84,40.64 131.57,39.37 U21.17 v1(123.7,39.37) ; v1(104.65,8.38) 105.66,8.38 106.17,8.89 U30.10
/cpu/CLK: length 26.1
  Top w0.2: U2.25 v1(105.41,78.49)
  Bottom w0.2: v1(105.41,78.49) 102.11,78.49 101.09,77.47 IC1.68
